# KiCad board Pravetz8A-patched.kicad_pcb (continued)
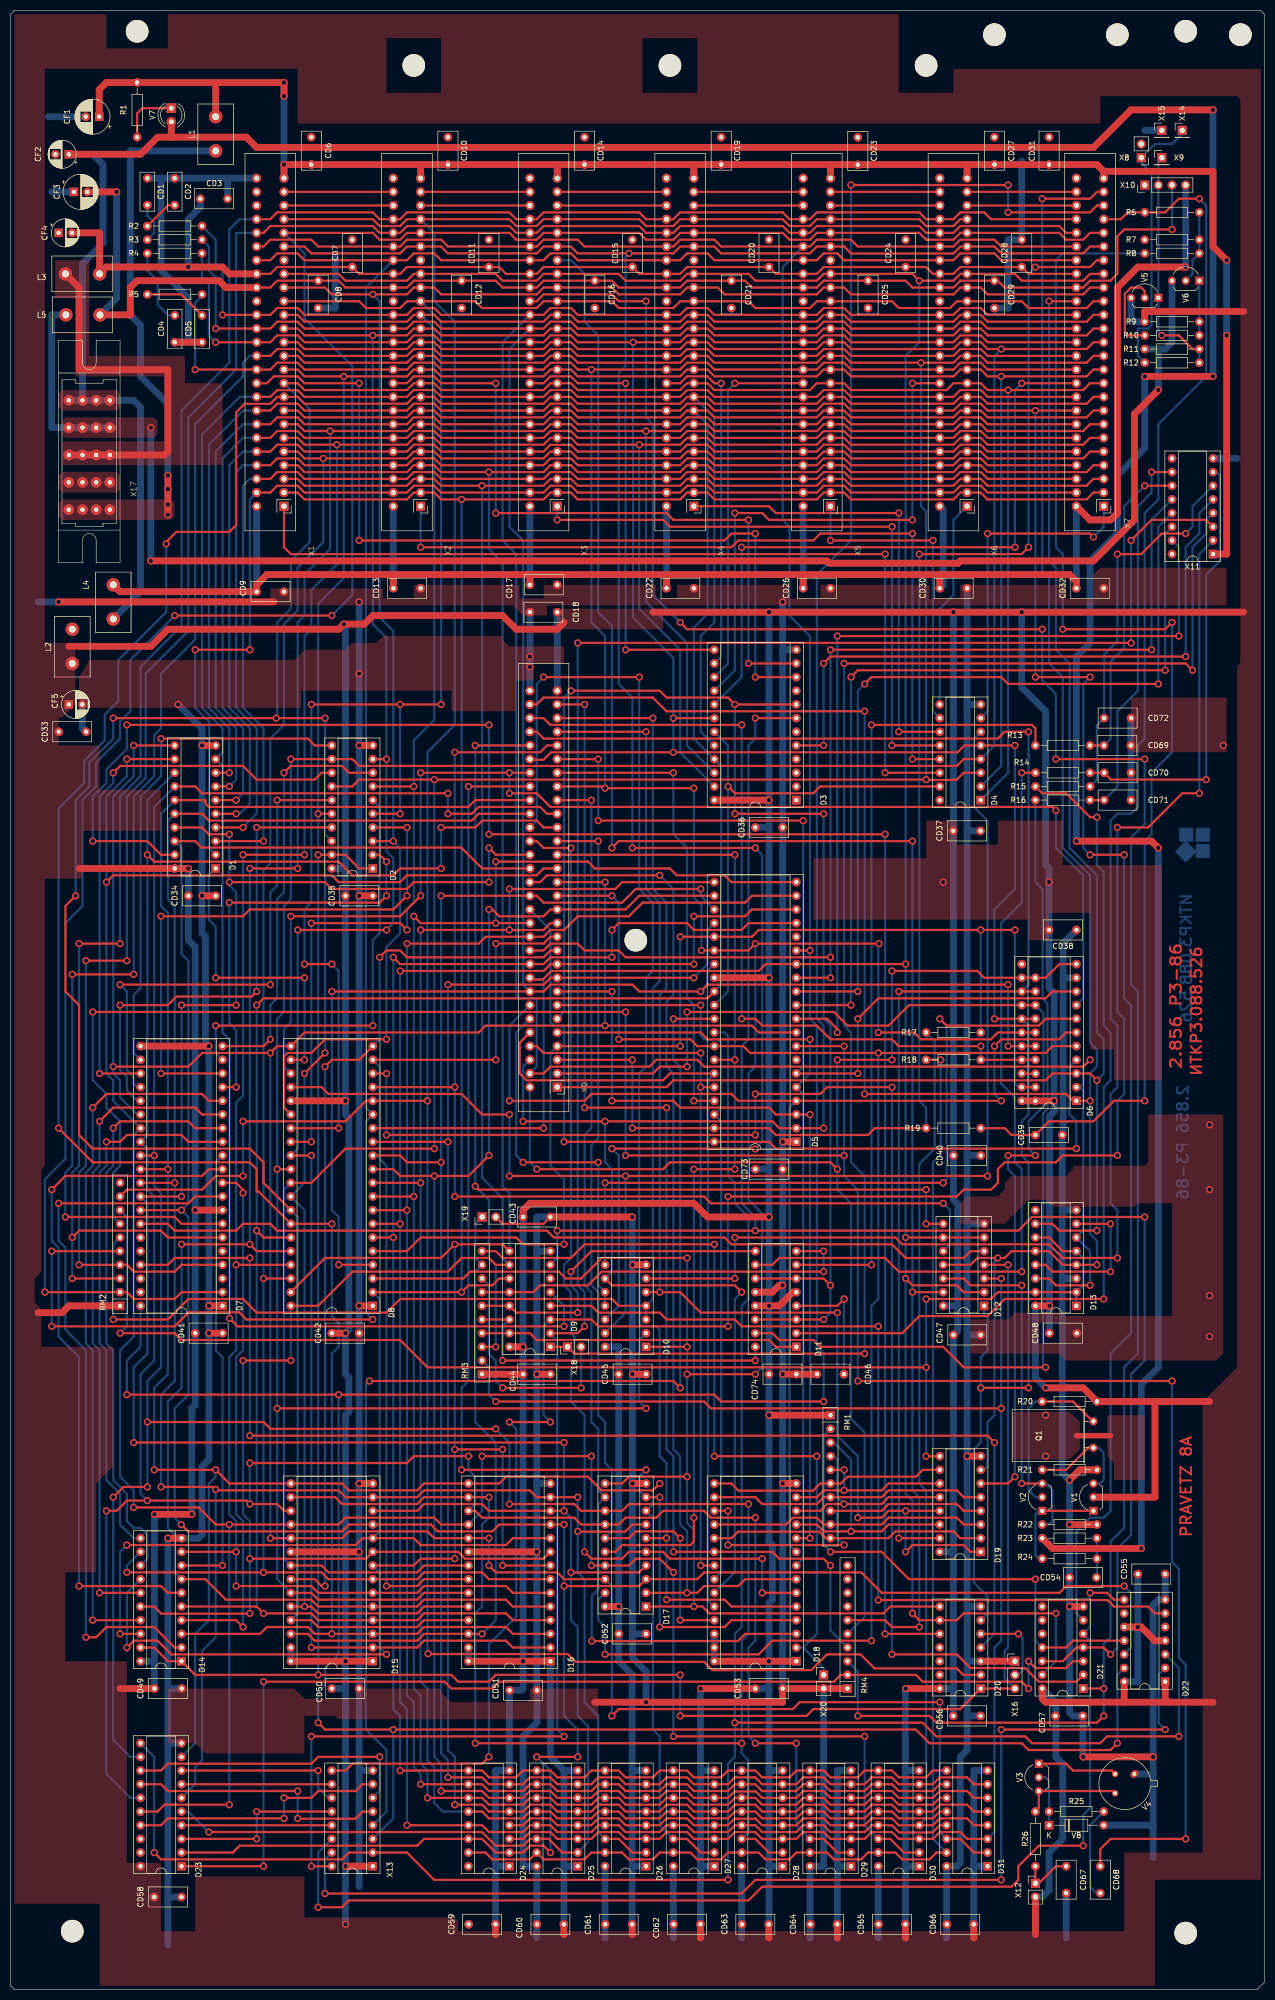
[diagram p0: board, top side]
## Footprints (pads in the part's own frame, mm; a bottom-side part is the same pattern mirrored in y, then rotated) (continued)
DIP-20_W7.62mm_Socket
  rect 1.6x1.6 hole 0.8: 1(0,0)
  oval 1.6x1.6 hole 0.8: 2(0,-2.54) 3(0,-5.08) 4(0,-7.62) 5(0,-10.16) 6(0,-12.7) 7(0,-15.24) 8(0,-17.78) 9(0,-20.32) 10(0,-22.86) 11(7.62,-22.86) 12(7.62,-20.32) 13(7.62,-17.78) 14(7.62,-15.24) 15(7.62,-12.7) 16(7.62,-10.16) 17(7.62,-7.62) 18(7.62,-5.08) 19(7.62,-2.54) 20(7.62,0)
DIP-22_W10.16mm_Socket
  rect 1.6x1.6 hole 0.8: 1(0,0)
  oval 1.6x1.6 hole 0.8: 2(0,-2.54) 3(0,-5.08) 4(0,-7.62) 5(0,-10.16) 6(0,-12.7) 7(0,-15.24) 8(0,-17.78) 9(0,-20.32) 10(0,-22.86) 11(0,-25.4) 12(10.16,-25.4) 13(10.16,-22.86) 14(10.16,-20.32) 15(10.16,-17.78) 16(10.16,-15.24) 17(10.16,-12.7) 18(10.16,-10.16) 19(10.16,-7.62) 20(10.16,-5.08) 21(10.16,-2.54) 22(10.16,0)
DIP-24_W15.24mm_Socket
  rect 1.6x1.6 hole 0.8: 1(0,0)
  oval 1.6x1.6 hole 0.8: 2(0,-2.54) 3(0,-5.08) 4(0,-7.62) 5(0,-10.16) 6(0,-12.7) 7(0,-15.24) 8(0,-17.78) 9(0,-20.32) 10(0,-22.86) 11(0,-25.4) 12(0,-27.94) 13(15.24,-27.94) 14(15.24,-25.4) 15(15.24,-22.86) 16(15.24,-20.32) 17(15.24,-17.78) 18(15.24,-15.24) 19(15.24,-12.7) 20(15.24,-10.16) 21(15.24,-7.62) 22(15.24,-5.08) 23(15.24,-2.54) 24(15.24,0)
DIP-28_W15.24mm_Socket
  rect 1.6x1.6 hole 0.8: 1(0,0)
  oval 1.6x1.6 hole 0.8: 2(0,-2.54) 3(0,-5.08) 4(0,-7.62) 5(0,-10.16) 6(0,-12.7) 7(0,-15.24) 8(0,-17.78) 9(0,-20.32) 10(0,-22.86) 11(0,-25.4) 12(0,-27.94) 13(0,-30.48) 14(0,-33.02) 15(15.24,-33.02) 16(15.24,-30.48) 17(15.24,-27.94) 18(15.24,-25.4) 19(15.24,-22.86) 20(15.24,-20.32) 21(15.24,-17.78) 22(15.24,-15.24) 23(15.24,-12.7) 24(15.24,-10.16) 25(15.24,-7.62) 26(15.24,-5.08) 27(15.24,-2.54) 28(15.24,0)
DIP-40_W15.24mm_Socket
  rect 1.6x1.6 hole 0.8: 1(0,0)
  oval 1.6x1.6 hole 0.8: 2(0,-2.54) 3(0,-5.08) 4(0,-7.62) 5(0,-10.16) 6(0,-12.7) 7(0,-15.24) 8(0,-17.78) 9(0,-20.32) 10(0,-22.86) 11(0,-25.4) 12(0,-27.94) 13(0,-30.48) 14(0,-33.02) 15(0,-35.56) 16(0,-38.1) 17(0,-40.64) 18(0,-43.18) 19(0,-45.72) 20(0,-48.26) 21(15.24,-48.26) 22(15.24,-45.72) 23(15.24,-43.18) 24(15.24,-40.64) 25(15.24,-38.1) 26(15.24,-35.56) 27(15.24,-33.02) 28(15.24,-30.48) 29(15.24,-27.94) 30(15.24,-25.4) 31(15.24,-22.86) 32(15.24,-20.32) 33(15.24,-17.78) 34(15.24,-15.24) 35(15.24,-12.7) 36(15.24,-10.16) 37(15.24,-7.62) 38(15.24,-5.08) 39(15.24,-2.54) 40(15.24,0)
LED_D4.0mm
  rect 1.8x1.8 hole 0.9: 1(0,0)
  round 1.8 hole 0.9: 2(2.54,0)
MountingHole_4.2mm_M4_WO_Periferial
  round 4.2 hole 4.2 unplated: (0,0)
PinHeader_1x01_P2.54mm_Vertical
  rect 1.7x1.7 hole 1: 1(0,0)
PinHeader_1x02_P2.54mm_Vertical
  rect 1.7x1.7 hole 1: 1(0,0)
  oval 1.7x1.7 hole 1: 2(0,-2.54)
PinHeader_1x02_P2.54mm_Vertical_Small
  rect 1.7x1.7 hole 1: 1(0,0)
  oval 1.7x1.7 hole 1: 2(0,-2.54)
PinHeader_1x03_P2.54mm_Vertical
  rect 1.7x1.7 hole 1: 1(0,0)
  oval 1.7x1.7 hole 1: 2(0,-2.54) 3(0,-5.08)
PinHeader_1x04_P2.54mm_Vertical
  rect 1.7x1.7 hole 1: 1(0,0)
  oval 1.7x1.7 hole 1: 2(0,-2.54) 3(0,-5.08) 4(0,-7.62)
PowerInductor
  round 2.5 hole 1.3: 1(1.905,0) 2(8.255,0)
PravetzPwrConnector
  round 2 hole 0.8: 1(-3.81,-10.16) 1(-1.27,-10.16) 1(1.27,-10.16) 1(3.81,-10.16) 2(-3.81,-5.08) 2(-1.27,-5.08) 2(1.27,-5.08) 2(3.81,-5.08) 3(-3.81,0) 3(-1.27,0) 3(1.27,0) 3(3.81,0) 4(-3.81,5.08) 4(-1.27,5.08) 4(1.27,5.08) 4(3.81,5.08) 5(-3.81,10.16) 5(-1.27,10.16) 5(1.27,10.16) 5(3.81,10.16)
R_Array_SIP10
  rect 1.6x1.6 hole 0.8: 1(0,0)
  oval 1.6x1.6 hole 0.8: 2(2.54,0) 3(5.08,0) 4(7.62,0) 5(10.16,0) 6(12.7,0) 7(15.24,0) 8(17.78,0) 9(20.32,0) 10(22.86,0)
R_Axial_DIN0207_L6.3mm_D1.9mm_P10.16mm_Horizontal
  round 1.6 hole 0.8: 1(0,0)
  oval 1.6x1.6 hole 0.8: 2(10.16,0)
TO-5-3
  oval 1.6x1.2 hole 0.7: 1(0,0)
  oval 1.2x1.2 hole 0.7: 2(2.54,-2.54) 3(5.08,0)
TO-92_Inline_Wide_Mirror
  rect 1.5x1.5 hole 0.8: 1(5.08,0)
  round 1.5 hole 0.8: 2(2.54,0) 3(0,0)
TO-92L_Inline_Wide
  rect 1.5x1.5 hole 0.8: 1(0,0)
  round 1.5 hole 0.8: 2(2.54,0) 3(5.08,0)
unnamed
  oval 1.6x1.6 hole 0.8: 13(0,0)
unnamed#2
  oval 1.6x1.6 hole 0.8: 18(0,0)
unnamed#3
  oval 1.6x1.6 hole 0.8: 12(0,0)
unnamed#4
  oval 1.6x1.6 hole 0.8: 16(0,0)
unnamed#5
  oval 1.6x1.6 hole 0.8: 11(0,0)
unnamed#6
  oval 1.6x1.6 hole 0.8: 19(0,0)
unnamed#7
  oval 1.6x1.6 hole 0.8: 20(0,0)
unnamed#8
  oval 1.6x1.6 hole 0.8: 15(0,0)
unnamed#9
  oval 1.6x1.6 hole 0.8: 17(-0.61,-7.62)

## Nets
+5V: CD18.2 CD33.1 CD34.2 CD35.2 CD36.2 CD37.2 CD38.2 CD40.2 CD41.1 CD42.1 CD43.2 CD44.2 CD45.2 CD47.2 CD48.1 CD49.1 CD50.1 CD51.1 CD52.1 CD53.1 CD55.1 CD56.2 CD57.2 CD58.2 CD59.2 CD60.2 CD61.2 CD62.2 CD63.2 CD64.2 CD65.2 CD66.2 CD73.1 CD74.1 CF5.1 D1.20 D2.20 D3.24 D4.16 D5.28 D6.22 D7.8 D8.25 D9.16 D10.14 D11.5 D11.13 D12.14 D13.16 D14.20 D15.1 D15.27 D15.28 D16.1 D16.27 D16.28 D17.20 D18.1 D18.26 D18.27 D18.28 D19.16 D20.14 D21.14 D22.1 D22.4 D22.10 D22.14 D23.20 D24.1 D24.8 D25.1 D25.8 D26.1 D26.8 D27.1 D27.8 D28.1 D28.8 D29.1 D29.8 D30.1 D30.8 D31.1 D31.8 L2.1 NOREF#7.20 R9.1 R20.1 RM1.1 RM2.1 RM3.1 V1.2 V5.3 X0.30 X12.2 X13.1
+12V: CF2.1 L4.1 R23.1 V7.2 X17.5
-5V: L5.1 R11.2 V6.3 X17.4
GND: CD1.1 CD2.1 CD3.1 CD4.1 CD5.1 CD6.1 CD7.1 CD8.1 CD9.1 CD10.1 CD11.1 CD12.1 CD13.1 CD14.1 CD15.1 CD16.1 CD17.1 CD18.1 CD19.1 CD20.1 CD21.1 CD22.1 CD23.1 CD24.1 CD25.1 CD26.1 CD27.1 CD28.1 CD29.1 CD30.1 CD31.1 CD32.1 CD33.2 CD34.1 CD35.1 CD36.1 CD37.1 CD38.1 CD39.1 CD40.1 CD41.2 CD42.2 CD43.1 CD44.1 CD45.1 CD46.1 CD47.1 CD48.2 CD49.2 CD50.2 CD51.2 CD52.2 CD53.2 CD54.1 CD55.2 CD56.1 CD57.1 CD58.1 CD59.1 CD60.1 CD61.1 CD62.1 CD63.1 CD64.1 CD65.1 CD66.1 CD67.1 CD69.1 CD70.1 CD71.1 CD72.1 CD73.2 CD74.2 CF1.2 CF2.2 CF3.1 CF4.1 CF5.2 D1.10 D2.10 D3.12 D4.8 D5.1 D6.10 D7.1 D7.21 D8.1 D9.8 D10.7 D11.12 D12.7 D13.3 D13.8 D14.10 D15.14 D15.20 D16.14 D16.20 D17.10 D18.14 D19.8 D20.3 D20.7 D21.7 D22.7 D23.10 D24.16 D25.16 D26.16 D27.16 D28.16 D29.16 D30.16 D31.16 R7.2 R21.2 R22.2 RM4.1 V4.1 V8.2 X0.31 X1.26 X2.26 X3.26 X4.26 X5.26 X6.26 X7.26 X8.2 X10.1 X11.8 X13.8 X15.1 X16.1 X17.2 X19.2 X20.2
3.58M: D6.3 D13.10 X0.1 X7.35
7M: D6.2 D13.6 D13.14 R2.2 X0.59 X1.36 X2.36 X3.36 X4.36 X5.36 X6.36 X7.36
14M: D6.1 D12.11 D13.4 D13.12 D19.7 X0.32 X7.24
+5V I/O: CD6.2 CD10.2 CD14.2 CD19.2 CD23.2 CD27.2 CD31.2 CF1.1 L1.2 R1.2 X1.25 X2.25 X3.25 X4.25 X5.25 X6.25 X7.25 X11.1
+12V I/O: CD9.2 CD13.2 CD17.2 CD22.2 CD26.2 CD30.2 CD32.2 L4.2 X1.50 X2.50 X3.50 X4.50 X5.50 X6.50 X7.50 X10.4
-5V I/O: CD8.2 CD12.2 CD16.2 CD21.2 CD25.2 CD29.2 CF3.2 L5.2 X1.34 X2.34 X3.34 X4.34 X5.34 X6.34 X7.34 X10.3
-12V I/O: CD3.2 CD7.2 CD11.2 CD15.2 CD20.2 CD24.2 CD28.2 CF4.2 L3.2 X1.33 X2.33 X3.33 X4.33 X5.33 X6.33 X7.33
/CPU/X19: D15.26 D16.26 RM3.9 X19.1
/RAM/~{CAS}: D24.15 D25.15 D26.15 D27.15 D28.15 D29.15 D30.15 D31.15 R18.2
/RAM/~{RAS}: D24.4 D25.4 D26.4 D27.4 D28.4 D29.4 D30.4 D31.4 R17.2
A0: D8.2 D9.11 D14.18 D15.10 D16.10 X1.2 X2.2 X3.2 X4.2 X5.2 X6.2 X7.2
A1: D8.40 D9.10 D14.16 D15.9 D16.9 X1.3 X2.3 X3.3 X4.3 X5.3 X6.3 X7.3
A2: D8.39 D9.9 D14.14 D15.8 D16.8 X1.4 X2.4 X3.4 X4.4 X5.4 X6.4 X7.4
A3: D8.38 D14.12 D15.7 D16.7 X1.5 X2.5 X3.5 X4.5 X5.5 X6.5 X7.5
A4: D3.23 D8.37 D14.9 D15.6 D16.6 X1.6 X2.6 X3.6 X4.6 X5.6 X6.6 X7.6
A5: D3.22 D8.36 D14.7 D15.5 D16.5 X1.7 X2.7 X3.7 X4.7 X5.7 X6.7 X7.7
A6: D3.21 D5.29 D8.35 D14.5 D15.4 D16.4 X1.8 X2.8 X3.8 X4.8 X5.8 X6.8 X7.8
A7: D3.20 D8.34 D14.3 D15.3 D16.3 X1.9 X2.9 X3.9 X4.9 X5.9 X6.9 X7.9
A8: D2.18 D4.1 D8.33 D15.25 D16.25 X1.10 X2.10 X3.10 X4.10 X5.10 X6.10 X7.10
A9: D2.16 D4.2 D8.32 D15.24 D16.24 X1.11 X2.11 X3.11 X4.11 X5.11 X6.11 X7.11
A10: D2.14 D4.3 D8.31 D15.21 D16.21 X1.12 X2.12 X3.12 X4.12 X5.12 X6.12 X7.12
A11: D2.12 D4.4 D8.30 D10.2 D15.23 D16.23 X1.13 X2.13 X3.13 X4.13 X5.13 X6.13 X7.13
A12: D2.9 D8.29 D15.2 D16.2 X1.14 X2.14 X3.14 X4.14 X5.14 X6.14 X7.14
A13: D2.7 D8.28 X1.15 X2.15 X3.15 X4.15 X5.15 X6.15 X7.15
A14: D2.5 D8.27 X1.16 X2.16 X3.16 X4.16 X5.16 X6.16 X7.16
A15: D2.3 D8.26 X1.17 X2.17 X3.17 X4.17 X5.17 X6.17 X7.17
AKD: D5.31 X13.4
AN0: D5.10 X11.15
AN1: D5.11 X11.14
AN2: D5.12 X11.13
AN3: D5.13 X0.50 X11.12
D0: D1.2 X1.49 X2.49 X3.49 X4.49 X5.49 X6.49 X7.49
D1: D1.3 X1.48 X2.48 X3.48 X4.48 X5.48 X6.48 X7.48
D2: D1.4 X1.47 X2.47 X3.47 X4.47 X5.47 X6.47 X7.47
D3: D1.5 X1.46 X2.46 X3.46 X4.46 X5.46 X6.46 X7.46
D4: D1.6 X1.45 X2.45 X3.45 X4.45 X5.45 X6.45 X7.45
D5: D1.7 X1.44 X2.44 X3.44 X4.44 X5.44 X6.44 X7.44
D6: D1.8 D21.6 X1.43 X2.43 X3.43 X4.43 X5.43 X6.43 X7.43
D7: D1.9 D9.5 X1.42 X2.42 X3.42 X4.42 X5.42 X6.42 X7.42
F0: D5.26 D6.17 D8.3 D10.1 D17.1 D17.11 D20.8 NOREF#8.15 R5.2 X0.23 X1.40 X2.40 X3.40 X4.40 X5.40 X6.40 X7.40
F1: D3.18 D4.5 D6.16 D12.1 D20.6 NOREF#10.16 R4.2 X0.36 X1.38 X2.38 X3.38 X4.38 X5.38 X6.38 X7.38
GR: D5.2 D10.9 D18.23 X0.58 X7.23
H0: D5.40 D6.4 X0.47
KSTRB: D5.32 D22.3 D23.11 X13.2
MD0: D1.18 D7.33 D15.11 D16.11 D17.3 D22.12 D23.2 D24.2 D24.14 X0.44
MD1: D1.17 D7.32 D15.12 D16.12 D17.4 D23.5 D25.2 D25.14 X0.43
MD2: D1.16 D7.31 D15.13 D16.13 D17.7 D23.6 D26.2 D26.14 X0.40
MD3: D1.15 D7.30 D15.15 D16.15 D17.8 D23.9 D27.2 D27.14 X0.39
MD4: D1.14 D7.29 D15.16 D16.16 D17.13 D23.12 D28.2 D28.14 X0.21
MD5: D1.13 D7.28 D15.17 D16.17 D17.14 D23.15 D29.2 D29.14 X0.20
MD6: D1.12 D7.27 D15.18 D16.18 D17.17 D23.16 D30.2 D30.14 X0.17
MD7: D1.11 D5.9 D7.26 D8.21 D15.19 D16.19 D17.18 D31.2 D31.14 X0.16
Q3: D5.27 D6.18 D8.4 NOREF#4.16 R3.2 X0.53 X1.37 X2.37 X3.37 X4.37 X5.37 X6.37 X7.37
R/~{W}: D5.14 D8.14 D12.2 D12.6 D12.9 D20.9 D21.13 X0.52 X1.18 X2.18 X3.18 X4.18 X5.18 X6.18 X7.18
R/~{W}80: D12.8 RM3.3 X0.35
R/~{W}245: D1.1 D8.22
RA0: D5.17 D8.6 D24.9 D25.9 D26.9 D27.9 D28.9 D29.9 D30.9 D31.9 X0.51
RA1: D5.18 D8.7 D24.13 D25.13 D26.13 D27.13 D28.13 D29.13 D30.13 D31.13 X0.10
RA2: D5.19 D8.8 D24.10 D25.10 D26.10 D27.10 D28.10 D29.10 D30.10 D31.10 X0.49
RA3: D5.20 D8.9 D24.11 D25.11 D26.11 D27.11 D28.11 D29.11 D30.11 D31.11 X0.48
RA4: D5.21 D8.10 D24.12 D25.12 D26.12 D27.12 D28.12 D29.12 D30.12 D31.12 X0.13
RA5: D5.22 D8.11 D24.6 D25.6 D26.6 D27.6 D28.6 D29.6 D30.6 D31.6 X0.14
RA6: D5.23 D8.12 D24.7 D25.7 D26.7 D27.7 D28.7 D29.7 D30.7 D31.7 X0.46
RA7: D5.24 D8.13 D24.5 D25.5 D26.5 D27.5 D28.5 D29.5 D30.5 D31.5 X0.9
RDY: D7.2 RM2.2 X1.21 X2.21 X3.21 X4.21 X5.21 X6.21 X7.21
RR/~{W}: D12.3 D24.3 D25.3 D26.3 D27.3 D28.3 D29.3 D30.3 D31.3 RM3.2
S5: D13.1 D13.2 D13.5 D13.11 D13.15 D19.9 RM2.8
SEGA: D5.3 D18.10 X0.8
SEGB: D5.4 D6.6 D18.9 X0.54
SPKR: CD68.1 D5.8 RM2.7
USER: D7.7 X1.39 X2.39 X3.39 X4.39 X5.39 X6.39 X7.39
VC: D5.5 D18.8 X0.5
VID0: D17.2 D18.7 X0.45
VID1: D17.5 D18.6 X0.42
VID2: D17.6 D18.5 X0.41
VID3: D17.9 D18.4 X0.38
VID4: D17.12 D18.3 X0.22
VID5: D17.15 D18.25 X0.19
VID6: D5.34 D17.16 X0.18
VID7: D5.33 D6.5 D17.19 X0.15
VID7M: D6.15 D19.6 NOREF.13 X0.2
Video: D10.6 R6.2 X7.22
~{80VID}: D5.6 D6.9 X0.25
~{ALDVID}: D10.3 D10.4 RM2.6 X0.27
~{C0XX}: D3.19 D4.15 D5.30
~{C06X}: D3.7 D9.7 D21.4 D21.12
~{C07X}: D3.8 D11.3 D11.6 D11.11 D11.14 X0.6
~{CASEN}: D6.8 D8.23 X0.37
~{CLCEN}: D12.13 RM4.6 X3.19
~{CLRG}: D5.37 X0.24
~{CXXX}: D4.6 D8.24 D10.13
~{DMA}: D8.16 D20.2 RM2.9 X1.22 X2.22 X3.22 X4.22 X5.22 X6.22
~{DS1}: D3.10 X1.41
~{DS2}: D3.11 X2.41
~{DS3}: D3.13 X3.41
~{DS4}: D3.14 X4.41
~{DS5}: D3.15 X5.41
~{DS6}: D3.16 X6.41
~{DS7}: D3.17 X7.41
~{EN80}: D8.17 D12.10 X0.26
~{ENKBD}: D21.1 RM4.3 X3.35
~{ENTMG}: D6.11 D6.13 NOREF#5.11 RM4.5 X0.60
~{ENVID}: D18.20 RM4.4 X0.29
~{FRCTXT}: D10.10 D10.11 X0.55
~{INH}: D8.15 RM2.5 X1.32 X2.32 X3.32 X4.32 X5.32 X6.32 X7.32
~{IO1}: D4.14 X1.1
~{IO2}: D4.13 X2.1
~{IO3}: D4.12 X3.1
~{IO4}: D4.11 X4.1
~{IO5}: D4.10 X5.1
~{IO6}: D4.9 X6.1
~{IO7}: D4.7 X7.1
~{IO STB}: D10.12 X1.20 X2.20 X3.20 X4.20 X5.20 X6.20 X7.20
~{IRQ}: D7.4 RM2.4 X1.30 X2.30 X3.30 X4.30 X5.30 X6.30 X7.30
~{KBD}: D8.18 D21.2
~{LDPS}: D6.14 D19.15 NOREF#3.12 X0.34
~{NMI}: D7.6 RM2.3 X1.29 X2.29 X3.29 X4.29 X5.29 X6.29 X7.29
~{PCAS}: D6.19 NOREF#9.17 R18.1 X0.33
~{PRAS}: D5.25 D6.21 D8.5 NOREF#6.19 R17.1 X0.4
~{RA9}: D5.35 D18.24 X0.56
~{RA10}: D5.36 D18.21 X0.57
~{RES}: D5.15 D7.40 D22.13 X1.31 X2.31 X3.31 X4.31 X5.31 X6.31 X7.31 X13.3
~{ROMEN1}: D8.20 D15.22 X0.11
~{ROMEN2}: D8.19 D16.22 X0.12
~{SEROUT}: D10.5 D19.1 D19.13 X0.28
~{STB}: D3.5 X11.5
~{SYNC}: D5.39 R19.2 X0.3 X7.19
~{WNDW}: D5.38 D18.22 X0.7
Net-(CD1-Pad2): CD1.2 R3.1
Net-(CD2-Pad2): CD2.2 R2.1
Net-(CD4-Pad2): CD4.2 R4.1
Net-(CD5-Pad2): CD5.2 R5.1
Net-(CD39-Pad2): CD39.2 R8.2 R19.1
Net-(CD54-Pad2): CD54.2 R23.2 R24.2
Net-(CD68-Pad2): CD68.2 R25.1
Net-(D1-CE): D1.19 D20.10
Net-(D2-I0a): D2.2 D7.17
Net-(D2-I0b): D2.11 D7.22
Net-(D2-I1a): D2.4 D7.18
Net-(D2-I1b): D2.13 D7.23
Net-(D2-I2a): D2.6 D7.19
Net-(D2-I2b): D2.15 D7.24
Net-(D2-I3a): D2.8 D7.20
Net-(D2-I3b): D2.17 D7.25
Net-(D6-I2): D6.7 D10.8
Net-(D7-R/~{W}): D7.34 D12.5
Net-(D7-ϕ0): D7.37 D20.4
Net-(D9-I1): D9.3 X11.2 X13.9
Net-(D9-I2): D9.2 X11.3 X13.16
Net-(D9-I3): D9.1 X11.4 X18.1
Net-(D11-CV): CD46.2 D11.4
Net-(D11-OA): D9.15 D11.1 RM3.4
Net-(D11-OB): D9.12 D11.8 RM3.7
Net-(D11-OC): D9.13 D11.9 RM3.6
Net-(D11-OD): D9.14 D11.16 RM3.5
Net-(D11-TA-Pad2): D11.2 R15.1
Net-(D11-TB-Pad7): D11.7 R13.1
Net-(D11-TC-Pad10): D11.10 R14.1
Net-(D11-TD-Pad15): D11.15 R16.1
Net-(D13A-~{Q}): D13.7 D13.13
Net-(D14-I0a): D7.9 D14.2
Net-(D14-I0b): D7.13 D14.11
Net-(D14-I1a): D7.10 D14.4
Net-(D14-I1b): D7.14 D14.13
Net-(D14-I2a): D7.11 D14.6
Net-(D14-I2b): D7.15 D14.15
Net-(D14-I3a): D7.12 D14.8
Net-(D14-I3b): D7.16 D14.17
Net-(D14-OEa): D2.1 D2.19 D12.4 D14.1 D14.19 D20.1 X16.3
Net-(D18-A12): D18.2 RM3.10 X20.1
Net-(D18-D0): D18.11 D19.14 RM1.3
Net-(D18-D1): D18.12 D19.12 RM1.4
Net-(D18-D2): D18.13 D19.11 RM1.5
Net-(D18-D3): D18.15 D19.10 RM1.6
Net-(D18-D4): D18.16 D19.5 RM1.7
Net-(D18-D5): D18.17 D19.4 RM1.8
Net-(D18-D6): D18.18 D19.3 RM1.9
Net-(D18-D7): D18.19 D19.2 RM1.10
Net-(D22A-D): D22.2 X13.15
Net-(D22A-~{Q}): D9.4 D22.6
Net-(D22B-C): D21.11 D22.11 RM1.2
Net-(D22B-~{Q}): D21.5 D22.8 X13.14
Net-(D23-D0): D23.3 X13.12
Net-(D23-D1): D23.4 X13.13
Net-(D23-D2): D23.7 X13.10
Net-(D23-D3): D23.8 X13.11
Net-(D23-D4): D23.13 X13.6
Net-(D23-D5): D23.14 X13.5
Net-(D23-D6): D23.17 X13.7
Net-(D23-OE): D21.3 D23.1 RM4.2
Net-(RM3G-R7.2): RM3.8 X18.2
Net-(V1-C): Q1.2 R21.1 V1.3
Net-(V1-E): R24.1 V1.1 V2.1
Net-(V2-B): Q1.1 R20.2 V2.2
Net-(V2-C): D12.12 R22.1 V2.3
Net-(V3-B): R25.2 V3.2 V8.1
Net-(V3-C): R26.1 V3.3 V4.3
Net-(V3-E): V3.1 V4.2
Net-(V5-B): R10.1 V5.2
Net-(V5-E): R11.1 R12.2 V5.1 X9.1 X10.2
Net-(V6-B): R6.1 R7.1 R8.1 V6.2
Net-(V6-E): R9.2 R10.2 V6.1
Net-(V7-K): R1.1 V7.1
Net-(X1-DMA_OUT): X1.24 X2.27
Net-(X1-INT_OUT): X1.23 X2.28
Net-(X2-DMA_OUT): X2.24 X3.27
Net-(X2-INT_OUT): X2.23 X3.28
Net-(X3-DMA_OUT): X3.24 X4.27
Net-(X3-INT_OUT): X3.23 X4.28
Net-(X4-DMA_OUT): X4.24 X5.27
Net-(X4-INT_OUT): X4.23 X5.28
Net-(X5-DMA_OUT): X5.24 X6.27
Net-(X5-INT_OUT): X5.23 X6.28
Net-(X6-DMA_OUT): X6.24 X7.27
Net-(X6-INT_OUT): X6.23 X7.28
Net-(X11-POL0): CD71.2 R16.2 X11.10
Net-(X11-POL1): CD70.2 R14.2 X11.7
Net-(X11-POL2): CD69.2 R13.2 X11.11
Net-(X11-POL3): CD72.2 R15.2 X11.6
Net-(X12-Pin_1): CD67.2 R26.2 X12.1
Net-(X14-Pin_1): R12.1 X8.1 X14.1
Net-(X16-C): D20.5 X16.2
Net-(X17-Pin_1): L1.1 L2.2 X17.1
Net-(X17-Pin_3): L3.1 X17.3

Pads without a net: D3 1 2 3 4 6 9; D5 7 16; D6 12 20; D7 3 5 35 36 38 39; D9 6; D13 9; D20 11 12 13; D21 8 9 10; D22 5 9; D23 18 19; NOREF#2 18; RM2 10; RM4 7 8 9 10; X1 19 27 28 35; X2 19 35; X4 19 35; X5 19 35; X6 19 35; X11 9 16

## Via types
v1: diameter 1.35, hole 0.8, Top to Bottom, 741 vias

## Routing (per net, layer and track width the routed paths; a pad name or vN(x,y) marks a point on that pad's centre or on a via; arc(x,y) is an arc through that point)
+5V: length 2206.8
  Top w1.27: D11.5 145.42,129.54 142.88,127 v1(140.97,127) D11.13 ; D9.16 v1(95.25,119.38) ; RM1.1 v1(140.97,106.68) ; D18.28 v1(140.97,60.96) D18.1 ; D6.22 v1(193.99,165.1) ; 5.08,125.73 9.53,125.73 10.79,127 RM2.1 ; 102.87,10.16 102.83,10.2 CD60.2 ; 212.73,109.22 202.56,109.22 ; 212.73,109.22 212.73,91.44 V1.2 ; 212.73,109.22 222.89,109.22 ; 179.07,9.52 179.03,9.56 CD66.2 ; 119.38,255.9 v1(140.97,255.9) v1(175.26,255.9) v1(187.96,255.9) 229.24,255.9 ; v1(62.23,22.86) X13.1 ; CD42.1 v1(62.23,121.92) ; D15.1 v1(62.23,60.96) 52.07,60.96 ; D22.10 v1(209.55,67.31) 210.19,67.31 212.73,64.77 D22.4 ; D22.14 207.01,53.34 ; 207.01,53.34 192.41,53.34 191.77,53.97 D21.14 ; 207.01,53.34 215.27,53.34 ; D3.24 v1(140.97,220.98) ; CD43.2 95.25,144.78 96.52,146.05 127,146.05 129.54,143.51 v1(140.97,143.51) ; D20.14 v1(166.37,55.88) ; D16.1 v1(95.25,60.96) D16.28 ; v1(192.41,111.76) 199.39,111.76 R20.1 ; X12.2 190.5,10.16 ; 128.27,9.52 128.23,9.56 CD62.2 ; R9.1 210.82,311.78 229.24,311.78 ; 215.27,53.34 214.63,53.97 D22.1 ; 215.27,53.34 223.52,53.34 ; 140.97,9.52 140.93,9.56 CD63.2 ; CD44.2 RM3.1 ; 52.07,165.1 v1(62.23,165.1) ; 166.37,9.52 166.33,9.56 CD65.2 ; 102.87,254 101.6,252.73 93.98,252.73 91.44,255.27 67.31,255.27 65.72,253.68 v1(61.91,253.68) 60.96,252.73 29.21,252.73 26.04,249.55 10.79,249.55 ; v1(33.02,208.28) 12.7,208.28 ; 115.57,10.16 115.53,10.2 CD61.2 ; v1(193.12,127) D13.16 ; D7.8 v1(34.29,144.78) ; v1(33.66,88.26) 26.75,88.26 ; CD59.2 90.13,10.2 90.17,10.16 ; D17.20 v1(113.03,71.12) ; CD53.1 v1(128.27,55.88) ; CD64.2 153.67,9.52 ; D5.28 v1(140.97,187.96) ; CD49.1 20.32,55.88
  Bottom w1.27: X0.30 101.6,241.3 CD18.2 ; D2.20 62.23,208.28 ; 62.23,208.28 CD35.2 62.23,162.56 62.86,161.92 62.86,122.55 v1(62.23,121.92) 62.23,114.3 62.86,113.66 62.86,107.31 62.23,106.68 v1(62.23,60.96) 62.23,55.88 ; 62.23,208.28 62.23,253.36 v1(61.91,253.68) ; D12.14 176.06,127 ; 176.06,127 176.06,145.89 175.26,146.68 v1(175.26,255.9) ; 176.06,127 176.06,122.4 175.26,121.6 175.26,81.28 ; D26.1 115.53,22.86 ; 115.53,22.86 CD61.2 ; 115.53,22.86 115.53,40.64 ; 90.13,22.86 90.13,40.6 90.17,40.64 D24.8 92.71,54.61 92.75,54.65 CD51.1 94.93,55.56 95.25,55.88 CD44.2 CD43.2 ; 90.13,22.86 D24.1 ; 90.13,22.86 CD59.2 ; CD53.1 140.97,55.88 ; 140.97,55.88 140.97,40.64 ; 140.97,55.88 140.97,71.75 141.61,72.39 141.61,82.55 140.97,83.19 v1(140.97,127) 140.97,152.4 ; D28.8 140.97,40.64 ; 140.97,40.64 140.97,22.86 ; CD65.2 166.33,22.86 ; 166.33,22.86 D30.1 ; 166.33,22.86 166.33,40.64 ; v1(140.97,255.9) 140.97,215.9 ; 140.97,215.9 CD36.2 ; 140.97,215.9 140.97,152.4 ; CD48.1 v1(193.12,127) 193.12,162.23 194.03,163.14 194.03,165.06 v1(193.99,165.1) 193.98,165.11 193.98,185.14 193.04,186.08 v1(193.04,205.74) 193.04,208.28 192.41,208.91 192.41,237.49 187.96,241.93 v1(187.96,255.9) ; 140.97,152.4 CD73.1 ; D31.8 179.07,40.64 179.07,39.37 179.03,39.33 179.03,22.86 ; 175.26,55.88 175.26,50.84 CD56.2 ; 175.26,55.88 175.26,81.28 ; 175.26,55.88 D20.14 ; 140.97,22.86 D28.1 ; 140.97,22.86 140.97,12.1 CD63.2 ; 102.87,40.64 D25.8 ; 102.87,40.64 100.33,43.18 D16.1 ; 102.87,40.64 102.87,39.37 102.83,39.33 CD60.2 ; 26.71,60.96 v1(26.71,88.26) ; 26.71,60.96 24.13,60.96 ; 26.71,60.96 CD49.1 ; v1(192.41,111.76) 190.5,113.66 D13.16 ; D19.16 175.26,81.28 ; D25.1 102.83,22.86 ; 52.07,63.5 52.07,60.96 ; 62.23,55.88 v1(62.23,22.86) v1(62.23,12.06) ; 62.23,55.88 CD50.1 ; 153.67,22.86 CD64.2 ; 153.67,22.86 153.67,40.64 D29.8 ; 153.67,22.86 D29.1 ; v1(166.37,55.88) 166.33,55.84 166.33,40.64 ; 128.23,22.86 CD62.2 ; 128.23,22.86 128.23,40.64 ; 128.23,22.86 D27.1 ; v1(128.27,55.88) 128.23,55.84 128.23,40.64 ; D30.8 166.33,40.64 ; D10.14 113.03,119.38 CD52.1 113.03,60.96 115.57,58.42 115.53,58.38 115.53,40.64 ; 179.03,22.86 CD66.2 ; 179.03,22.86 D31.1 ; D27.8 128.23,40.64 ; D21.14 194.31,53.34 194.31,43.18 195.58,41.91 195.58,27.94 193.04,25.4 193.04,18.41 191.77,17.14 191.77,17.15 X12.2 ; v1(33.66,88.26) 33.66,107.95 34.29,108.58 CD41.1 v1(34.29,144.78) 34.29,193.67 33.02,194.94 v1(33.02,208.28) ; D22.14 209.55,57.15 v1(209.55,67.31) CD55.1 ; 115.53,40.64 D26.8 ; R9.1 208.92,309.88 208.28,310.51 V5.3 ; D18.26 D18.28 ; D16.27 D16.28
  vias: v1(173.36,205.74)
+12V: length 648.8
  Top w1.27: V7.2 29.85,344.17 ; 29.85,344.17 43.81,344.17 45.72,342.26 201.3,342.26 208.28,349.25 v1(223.52,349.25) ; 29.85,344.17 27.31,344.17 24.13,341 CF2.1 ; R23.1 193.68,81.91 v1(210.19,81.91) ; v1(213.36,212.09) 212.09,213.36 v1(198.12,213.36) ; v1(223.52,299.72) v1(210.82,299.72)
  Bottom w1.27: CF2.1 15.24,341 17.14,339.09 17.14,324.48 13.33,320.67 X17.5 ; v1(210.19,81.91) 210.19,112.39 213.36,115.57 v1(213.36,212.09) ; X17.5 X17.5 22.86,295.27 24.13,294 24.13,259.71 L4.1 ; v1(223.52,349.25) v1(223.52,299.72) ; v1(210.82,299.72) 210.82,286.38 205.74,281.3 205.74,270.51 200.66,265.43 200.66,250.19 198.12,247.65 v1(198.12,213.36)
-5V: length 296.8
  Top w1.27: v1(213.36,297.18) 208.92,292.73 208.92,273.05 201.3,265.43 176.53,265.43 176.09,265 152.2,265 151.77,265.43 v1(26.04,265.43)
  Bottom w1.27: v1(213.36,297.18) 213.36,304.8 ; 213.36,304.8 214.63,304.8 215.9,306.07 V6.3 ; 213.36,304.8 R11.2 ; v1(26.04,290.19) v1(26.04,265.43) ; L5.1 7.62,311.15 7.62,290.19 19.05,290.19
GND: length 1959.8
  Top w0.406: X19.2 91.44,142.24 99.06,142.24 CD43.1
  Top w1.016: 198.12,102.87 204.47,102.87
  Top w1.27: D11.12 141.61,129.54 142.88,130.81 v1(143.51,130.81) ; CD5.1 CD4.1 ; X16.1 D20.3 ; D14.10 v1(29.21,83.82) ; D2.10 v1(64.77,231.14) ; 39.37,121.92 v1(36.83,121.92) ; CD44.1 v1(97.79,114.3) ; v1(196.85,86.36) R22.2 ; 180.34,99.06 v1(177.8,99.06) ; v1(143.51,114.3) CD74.2 CD46.1 ; v1(196.85,94.61) 198.76,96.52 R21.2 ; D18.14 v1(143.51,93.98) ; D17.10 v1(115.57,93.98) ; RM4.1 CD53.2 143.51,53.34 v1(118.11,53.34) 108.58,53.34 ; CD34.1 v1(35.56,203.2) ; v1(115.57,134.62) D10.7 ; CD45.1 v1(115.57,114.3) ; D16.20 v1(97.79,81.28) ; D21.7 v1(196.85,71.12) ; v1(115.57,143.51) CD43.1 ; D7.21 v1(36.83,175.26) ; CD35.1 v1(64.77,203.2) ; 52.07,81.28 v1(64.77,81.28) ; 48.89,257.81 v1(8.89,257.81) ; D7.1 v1(36.83,127) ; v1(212.39,43.18) v1(199.39,43.18) ; D15.14 v1(64.77,93.98) ; v1(143.51,157.48) D5.1 ; D1.10 v1(35.56,231.14) ; D8.1 v1(64.77,127)
  Bottom w1.27: CD18.1 v1(96.52,247.65) X0.31 ; D23.10 29.21,45.72 ; 29.21,45.72 29.21,55.88 ; 29.21,45.72 29.21,17.14 ; D13.8 195.5,144.78 ; 195.5,144.78 195.5,132.08 ; 195.5,144.78 CD39.1 195.66,158.91 195.66,187.8 ; 148.59,9.52 D29.16 151.13,22.86 151.13,55.88 ; 195.5,132.08 195.5,95.96 v1(196.85,94.61) v1(196.85,86.36) 196.85,76.2 ; 195.5,132.08 D13.3 ; CD8.1 60.33,312.42 60.33,321.94 ; CD1.1 27.94,336.55 ; 27.94,336.55 27.94,319.4 33.02,314.32 33.02,306.07 CD4.1 ; 27.94,336.55 40.64,336.55 ; 177.8,71.12 177.8,60.96 ; 177.8,71.12 177.8,121.28 ; 177.8,71.12 D20.7 ; 177.8,60.96 177.8,50.8 ; 177.8,60.96 D20.3 ; D4.8 177.8,238.76 ; 177.8,238.76 CD30.1 ; 177.8,238.76 177.8,215.26 ; CD49.2 29.21,55.88 ; CD56.1 177.8,50.8 ; 177.8,50.8 177.8,44.45 176.53,43.18 176.53,23.5 175.9,22.86 D31.16 173.99,9.52 ; X15.1 210.82,345.44 ; D30.16 161.29,9.52 ; v1(31.11,238.76) 35.56,234.31 v1(35.56,231.14) v1(35.56,203.2) 35.56,196.21 36.19,195.58 36.19,175.89 v1(36.83,175.26) v1(36.83,127) 36.83,98.42 35.56,97.15 35.56,84.45 34.92,83.82 D14.10 ; v1(199.39,43.18) 199.31,43.26 CD57.1 197.49,50.8 196.85,51.44 v1(196.85,71.12) CD54.1 ; D3.12 143.51,248.92 ; 143.51,248.92 v1(143.51,257.81) ; 143.51,248.92 CD36.1 v1(143.51,157.48) CD73.2 v1(143.51,130.81) v1(143.51,114.3) v1(143.51,93.98) CD53.2 ; D26.16 110.49,9.52 ; 97.79,93.98 97.79,55.88 ; 97.79,93.98 D16.14 ; 97.79,93.98 v1(97.79,114.3) 97.79,137.16 ; CD37.1 177.8,215.26 ; 177.8,215.26 177.8,154.94 ; CD43.1 97.79,143.51 97.79,137.16 ; CD71.1 CD70.1 208.28,231.1 CD69.1 208.24,236.18 CD72.1 ; 212.39,30.48 212.39,24.47 ; 212.39,30.48 V8.2 ; 212.39,30.48 212.39,40 ; CD52.2 115.57,66.04 ; 115.57,66.04 115.57,61.59 118.11,59.05 v1(118.11,53.34) ; 115.57,66.04 v1(115.57,93.98) v1(115.57,114.3) v1(115.57,134.62) v1(115.57,143.51) ; 64.77,40.64 64.77,19.05 ; 64.77,40.64 X13.8 ; 64.77,40.64 CD50.2 v1(64.77,81.28) v1(64.77,93.98) CD42.2 v1(64.77,127) v1(64.77,203.2) v1(64.77,231.14) v1(64.77,257.81) ; 212.39,40 v1(212.39,43.18) 212.39,71.42 213.36,72.39 D22.7 CD55.2 ; 212.39,40 V4.1 ; D9.8 97.79,137.16 ; CD3.1 40.32,336.23 40.64,336.55 ; 177.8,154.94 177.8,142.24 ; 177.8,154.94 CD40.1 ; 177.8,142.24 177.8,121.28 ; 177.8,142.24 D12.7 ; 40.64,336.55 X1.26 ; D6.10 195.81,187.96 195.66,187.8 ; 195.66,187.8 195.66,194.39 CD38.1 ; 177.8,121.28 178.12,121.6 CD47.1 ; 5.08,257.81 v1(8.89,257.81) ; CF5.2 13.29,234.35 13.97,233.68 CD33.2 ; CD51.2 97.83,49.57 95.25,46.99 95.25,22.86 97.79,22.86 97.79,9.52 ; 187.96,339.72 CD28.1 185.42,325.12 185.42,312.42 CD29.1 ; 29.21,17.14 29.21,8.25 ; 29.21,17.14 CD58.1 ; 29.21,55.88 v1(29.21,83.82) ; D27.16 123.19,9.52 ; CF3.1 7.62,334.01 ; D28.16 135.89,9.52 ; X11.8 227.97,284.48 ; CD67.1 196.22,9.52 ; CF1.2 6.99,347.98
  vias: v1(64.77,244.47) v1(96.52,245.74) v1(192.41,106.68) v1(192.41,99.06) v1(222.89,160.65) v1(222.89,148.59) v1(222.89,128.9) v1(222.89,121.28) v1(225.43,231.14)
3.58M: length 295.8
  Top w0.406: X0.1 121.92,167.64 123.19,168.91 192.41,168.91 193.68,170.18 200.66,170.18 v1(201.93,168.91) ; 191.14,142.24 193.68,142.24 194.95,140.97 v1(201.93,140.97) ; X7.35 v1(193.04,313.69)
  Bottom w0.406: v1(193.04,313.69) 193.04,265.43 194.31,264.16 194.31,248.92 196.85,246.38 196.85,212.09 201.93,207.01 201.93,177.8 203.2,176.53 203.2,170.18 v1(201.93,168.91) v1(201.93,140.97)
7M: length 492.7
  Top w0.406: D13.14 193.04,132.08 194.31,130.81 v1(200.66,130.81) ; X0.59 99.06,170.18 100.33,171.45 118.74,171.45 120.02,172.72 127.64,172.72 128.91,171.45 199.39,171.45 v1(200.66,172.72) ; v1(39.37,311.15) X1.36 48.26,311.15 49.53,312.42 53.34,312.42 54.61,311.15 73.66,311.15 74.93,312.42 78.74,312.42 80.01,311.15 99.06,311.15 100.33,312.42 104.14,312.42 105.41,311.15 124.46,311.15 125.73,312.42 129.54,312.42 130.81,311.15 149.86,311.15 151.13,312.42 154.94,312.42 156.21,311.15 175.26,311.15 176.53,312.42 180.34,312.42 181.61,311.15 X7.36
  Bottom w0.406: v1(200.66,172.72) 199.39,171.45 199.39,168.27 198.76,167.64 199.39,167 199.39,140.97 D13.6 200.66,137.16 v1(200.66,130.81) ; X0.59 97.79,171.45 97.79,184.15 94.61,184.15 93.98,184.78 93.98,266.7 91.44,269.24 91.44,306.07 X3.36 ; v1(39.37,311.15) 39.37,319.4 38.1,320.67 38.1,325.12 R2.2
14M: length 463.8
  Top w0.406: v1(158.75,237.49) 121.92,237.49 119.38,240.03 99.06,240.03 97.79,238.76 X0.32 ; v1(158.75,166.37) 196.22,166.37 197.49,165.1 D6.1 v1(200.66,165.1) ; v1(201.93,134.62) 195.58,134.62 193.04,137.16 186.06,137.16 184.79,135.89 v1(183.52,135.89) 179.71,135.89 178.44,134.62 D12.11 ; v1(191.77,332.74) 200.66,332.74 201.93,334.01 X7.24
  Bottom w0.406: v1(183.52,135.89) 182.88,135.25 182.88,106.68 181.61,105.41 181.61,97.15 180.98,96.52 ; v1(201.93,134.62) 201.93,139.06 200.66,140.33 v1(200.66,165.1) 200.66,170.18 201.93,171.45 201.93,174.62 200.66,175.89 200.66,207.01 195.58,212.09 195.58,243.84 193.04,246.38 193.04,262.25 191.77,263.52 v1(191.77,332.74) ; v1(158.75,166.37) v1(158.75,237.49)
+5V I/O: length 375.1
  Top w1.27: 203.2,337.82 X7.25 ; 203.2,337.82 223.52,337.82 223.52,323.85 v1(226.06,321.31) ; 203.2,337.82 201.93,339.09 177.8,339.09 ; 76.2,339.09 v1(50.8,339.09) X1.25 ; 76.2,339.09 76.2,336.55 ; 76.2,339.09 101.6,339.09 ; X5.25 152.4,339.09 ; 152.4,339.09 127,339.09 ; 152.4,339.09 177.8,339.09 ; X11.1 226.06,266.7 v1(226.06,307.34) ; X4.25 127,339.09 ; 127,339.09 101.6,339.09 ; v1(50.8,351.79) v1(50.8,354.33) 38.1,354.33 ; X6.25 177.8,339.09 ; X3.25 101.6,339.09 ; 38.1,354.33 17.78,354.33 16.45,353 CF1.1 ; 38.1,354.33 L1.2
  Bottom w1.27: 226.06,307.97 v1(226.06,307.34) v1(226.06,321.31) ; 76.2,336.55 76.2,339.09 CD10.2 ; X6.25 177.8,339.09 CD27.2 ; v1(50.8,339.09) X1.25 ; v1(50.8,339.09) CD6.2 55.72,339.25 ; v1(50.8,339.09) v1(50.8,354.33) ; X4.25 127,339.09 CD19.2 ; 157.48,339.09 152.4,339.09 X5.25 ; X3.25 101.6,339.09 CD14.2
+12V I/O: length 384
  Top w1.27: CD30.2 172.72,262.89 173.36,262.89 ; 173.36,262.89 147.32,262.89 ; 173.36,262.89 196.85,262.89 198.12,261.62 CD32.2 ; 147.32,262.89 CD26.2 ; 147.32,262.89 96.52,262.89 ; 71.12,262.89 47.62,262.89 45.72,260.99 CD9.2 20.32,259.71 L4.2 ; 71.12,262.89 96.52,262.89 ; 71.12,262.89 CD13.2 ; 198.12,275.59 200.66,273.05 204.47,273.05 205.74,274.32 205.74,316.23 209.55,320.04 v1(218.44,320.04) ; 96.52,262.89 CD17.2 ; CD22.2 121.92,262.89
  Bottom w1.27: X6.50 173.36,274.95 173.36,260.98 CD30.2 ; CD22.2 X4.50 ; CD26.2 X5.50 ; CD17.2 X3.50 ; v1(218.44,320.04) X10.4 ; CD32.2 X7.50 ; CD13.2 X2.50 ; CD9.2 X1.50
-5V I/O: length 257.2
  Top w0.406: X1.34 48.26,316.23 49.53,317.5 60.96,317.5 62.23,316.23 73.66,316.23 74.93,317.5 90.17,317.5 91.44,316.23 97.79,316.23 99.06,317.5 111.76,317.5 113.03,316.23 124.46,316.23 125.73,317.5 136.53,317.5 137.8,316.23 149.86,316.23 151.13,317.5 166.37,317.5 167.64,316.23 175.26,316.23 176.53,317.5 183.52,317.5 184.79,316.23 X7.34 199.39,316.23 200.66,317.5 204.47,317.5 205.74,318.77 205.74,325.75 207.01,327.02 v1(215.9,327.02)
  Top w1.27: L5.2 22.22,311.15 22.22,316.23 23.5,317.5 38.73,317.5 40,316.23 X1.34 ; v1(19.68,334.01) 15.24,334.01
  Bottom w0.406: v1(215.9,327.02) 215.9,335.28
  Bottom w1.27: L5.2 19.68,314.25 v1(19.68,334.01)
-12V I/O: length 215.3
  Top w0.406: X7.33 189.23,318.77 CD28.2 176.53,320.04 175.26,318.77 171.45,318.77 170.18,320.04 151.13,320.04 149.86,318.77 142.24,318.77 CD20.2 125.73,320.04 124.46,318.77 116.84,318.77 CD15.2 99.06,320.04 97.79,318.77 92.08,318.77 90.8,320.04 73.66,320.04 72.39,318.77 64.77,318.77 CD7.2 49.53,320.04 48.26,318.77 X1.33
  Top w1.27: X1.33 40.64,318.77 39.37,320.04 17.78,320.04 L3.2 16.51,326.39 CF4.2
  Bottom w1.27: CD3.2 35.24,331.15 33.02,328.93 v1(33.02,320.04)
/CPU/X19: length 118.3
  Top w0.406: 52.07,66.04 55.24,66.04 56.52,64.77 75.56,64.77 76.83,66.04 D16.26 v1(87.63,66.04)
  Bottom w0.406: v1(87.63,66.04) 90.17,68.58 90.17,101.6 86.36,105.41 86.36,133.35 87.63,134.62 86.36,135.89 86.36,142.24 X19.1
/RAM/~{CAS}: length 248
  Top w0.406: D31.15 172.09,25.4 170.81,24.13 165.74,24.13 164.47,25.4 159.39,25.4 158.12,24.13 153.04,24.13 151.77,25.4 146.05,25.4 144.78,24.13 140.34,24.13 139.06,25.4 133.35,25.4 132.08,24.13 127.64,24.13 126.36,25.4 120.65,25.4 119.38,24.13 114.93,24.13 113.67,25.4 107.95,25.4 106.68,24.13 99.06,24.13 97.79,25.4 96.52,24.13 89.53,24.13 88.26,25.4 D24.15 ; v1(172.9,172.72) R18.2
  Bottom w0.406: D31.15 171.45,27.94 171.45,153.67 172.9,155.12 v1(172.9,172.72)
